# KiCad board io_board.kicad_pcb (continued)
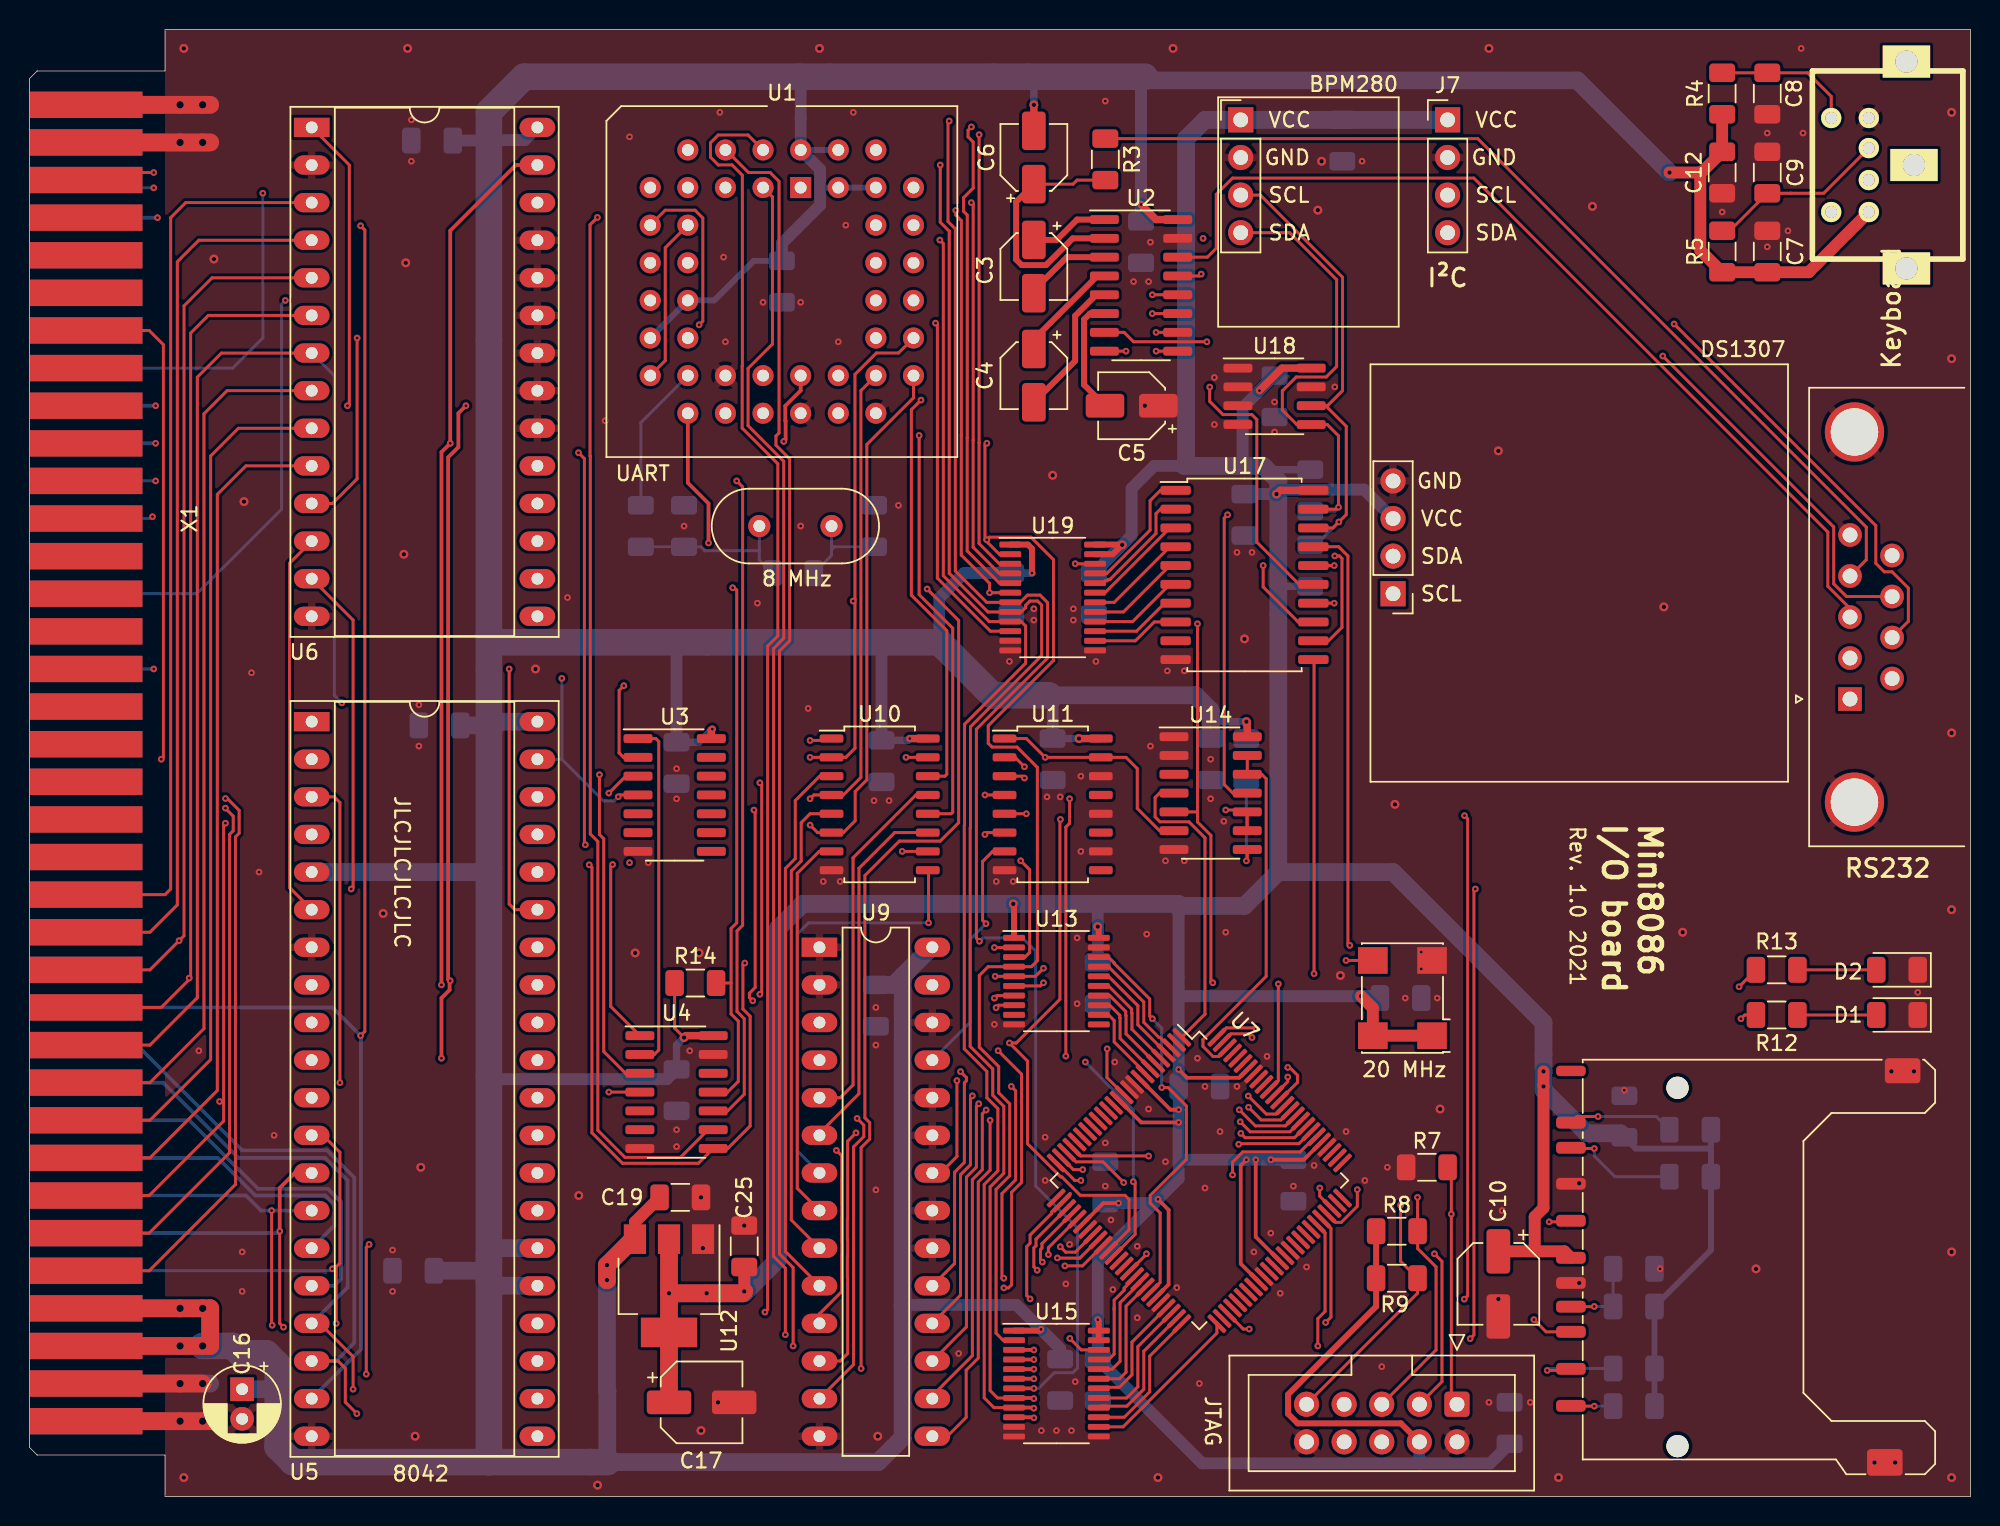
[diagram p0: board, top side]
## Nets (continued)
RA7: U7.36 U9.3 U11.5
RA8: U7.37 U9.25 U11.7
RD0: U7.81 U9.11
RD1: U7.82 U9.12
RD2: U7.83 U9.13
RD3: U7.84 U9.15
RD4: U7.85 U9.16
RD5: U7.86 U9.17
RD6: U7.87 U9.18
RD7: U7.88 U9.19
RESET: U1.39 U4.9 X1.69
SCL: J5.1 J6.3 J7.3 R11.2 U17.18 U18.6 X1.34
SD_BUSY: U7.1 U14.4
SD_IRQ: U7.98 U14.12 U14.13
SDA: J5.2 J6.4 J7.4 R10.2 U17.19 U18.5 X1.70
~{CS_8042}: U5.6 U6.12
~{CS_BUFFER}: U6.15 U13.6 U14.5
~{CS_DRIVE}: U6.13 U13.3
~{CS_I2C}: U6.16 U17.13 U19.22
~{CS_UART}: U1.16 U6.11
~{D_EN_3}: U7.40 U14.9 U14.10
~{D_EN}: R15.2 U14.8 U15.22
~{INT_I2C}: R14.2 U4.11 U17.16
~{RAM_OE}: U7.89 U9.22
~{RAM_WE}: U7.90 U9.27
~{RD}: U1.25 U5.8 U6.27 U13.4 U15.2 U17.12 U19.2 X1.63
~{RESET}: U4.8 U5.4 U13.2 U17.17
~{WR}: U1.20 U5.10 U6.1 U13.5 U17.11 X1.64
Net-(C2-Pad1): C2.1 R1.1 R2.1 Y1.1
Net-(D1-A): D1.2 R12.2
Net-(D2-A): D2.2 R13.2
Net-(J1-Pad4): J1.4 R3.1
Net-(J3-DAT1): J3.8 R18.2
Net-(J3-DAT2): J3.9 R19.2
Net-(U2-C1+): C3.1 U2.1
Net-(U2-C1-): C3.2 U2.3
Net-(U2-C2+): C4.1 U2.4
Net-(U2-C2-): C4.2 U2.5
Net-(U2-VS+): C6.1 R3.2 U2.2
Net-(U2-VS-): C5.2 U2.6
Net-(U3-Pad1): U3.1 U4.2

Pads without a net: J1 1 6 9; J2 4 6 GND; J3 11; J4 6 7 8; U1 1 12 23 26 27 32 34 35 37 38; U3 5 6 8 9 10 11 12 13; U4 5 6 12; U5 11 21 22 23 24 27 28 29 30 31 32 33 34 36; U6 17 18 19; U7 2 14 15 16 17 18 19 20 21 26 38 39 52 54 55 56 57 58 61 62 64 66 67 68 69 74 75 76 77 78 91 92 95 96 97; U11 9 11 13; U13 9 11; U14 3; U17 9; X1 16 17 18 19 20 21 22 23 24 25 26 27 28 29 31 32 33 49 50 51 52 53 54 55 56 58 60 66 67 68

## Via types
v1: diameter 0.45, hole 0.2, Top to Bottom, 351 vias
v2: diameter 1, hole 0.5, Top to Bottom, 12 vias
v3: diameter 0.6, hole 0.3, Top to Bottom, 69 vias

## Routing (per net, layer and track width the routed paths; a pad name or vN(x,y) marks a point on that pad's centre or on a via; arc(x,y) is an arc through that point)
GND: length 64.5
  Top w1.2: 4.06,5.08 v2(10.16,5.08) v2(11.68,5.08) 12.19,5.08 ; v2(11.68,7.62) v2(10.16,7.62) 4.06,7.62 ; 4.06,91.44 v2(10.16,91.44) v2(11.68,91.44) 12.19,91.44 ; 12.19,93.98 v2(11.68,93.98) v2(10.16,93.98) 4.06,93.98
  Bottom w1.2: 12.19,91.44 4.06,91.44 ; 4.06,7.62 12.19,7.62 ; 12.19,5.08 4.06,5.08 ; 4.06,93.98 12.19,93.98
  vias: v1(11.43,30.1) v1(14.35,16.51) v1(14.35,13.84) v1(14.99,55.63) v1(15.49,42.16) v1(16.51,24.38) v1(24.51,16.64) v1(24.51,13.84) v1(25.78,92.96) v1(25.78,90.17) v1(26.29,53.47) v1(26.29,50.67) v1(36.32,60.71) v1(38.86,72.64) v1(40.51,91.82) v1(41.78,42.8) v1(43.69,49.15) v1(43.69,47.12) v1(43.69,24.77) v1(43.69,23.62) v1(44.2,65.53) v1(44.58,30.1) v1(46.61,93.47) v1(46.86,83.69) v1(46.99,77.98) v1(49.15,60.33) v1(49.53,80.65) v1(52.07,80.65) v1(52.07,65.53) v1(52.58,53.21) v1(53.59,41.53) v1(54.61,77.98) v1(54.74,41.53) v1(55.12,85.85) v1(55.63,93.47) v1(57.02,46.99) v1(57.15,33.02) v1(57.15,30.48) v1(57.15,20.7) v1(58.04,46.99) v1(58.67,66.93) v1(62.74,9.65) v1(65.15,31.88) v1(65.28,41.53) v1(66.17,56.39) v1(66.42,41.53) v1(67.82,59.94) v1(67.82,59.18) v1(68.33,4.44) v1(68.58,24.26) v1(68.58,21.34) v1(68.71,47.24) v1(69.34,4.44) v1(69.6,47.24) v1(69.98,14.35) v1(70.23,17.02) v1(70.36,4.44) v1(70.48,59.94) v1(70.48,59.18) v1(70.61,7.75) v1(70.74,37.72) v1(70.74,33.27) v1(70.99,48.64) v1(70.99,43.56) v1(72.01,56.39) v1(72.64,94.23) v1(72.64,23.88) v1(72.64,20.96) v1(73.03,18.67) v1(73.15,13.97) v1(73.28,29.34) v1(74.55,82.04) v1(74.8,16.89) v1(74.8,12.06) v1(75.44,37.97) v1(75.57,82.04) v1(75.57,26.16) v1(75.69,84.71) v1(75.69,50.67) v1(76.71,42.93) v1(76.71,22.61) v1(76.84,55.75) v1(77.47,14.1) v1(77.98,55.75) v1(77.98,42.93) v1(78.87,29.59) v1(78.99,7.62) v1(79.38,27.69) v1(79.38,20.83) v1(79.76,49.78) v1(79.76,47.12) v1(80.01,75.57) v1(80.01,72.39) v1(80.39,24.64) v1(80.65,45.59) v1(80.77,38.1) v1(81.53,63.75) v1(81.53,27.69) v1(82.55,63.75) v1(82.68,16.51) v1(83.57,29.72) v1(83.82,17.78) v1(84.07,73.91) v1(84.07,71.88) v1(84.45,13.72) v1(85.34,20.96) v1(86.23,15.49) v1(86.74,22.35) v1(88.14,74.93) v1(88.9,24.64) v1(89.98,90.17) v1(90.17,21.34) v1(91.31,8.76) v1(91.69,22.22) v1(92.9,33.66) v1(93.98,36.77) v1(93.98,35.62) v1(95.06,33.66) v1(98.55,6.35) v1(99.44,19.3) v1(101.35,6.35) v1(107.7,27.43) v1(110.11,15.37) v1(114.3,86.74) v1(117.35,92.08) v1(117.35,84.39) v1(118.75,85.47) v1(119.63,97.79) v1(119.76,92.08) v1(127.51,34.04) v3(10.41,97.79) v3(10.41,1.27) v3(12.45,83.57) v3(14.48,67.18) v3(23.88,39.37) v3(25.27,63.63) v3(25.4,83.31) v3(25.53,97.79) v3(26.04,4.06) v3(26.42,22.22) v3(34.16,55.88) v3(37.08,20.32) v3(38.35,0.76) v3(40.89,36.7) v3(45.21,36.7) v3(45.34,20.19) v3(45.34,4.44) v3(45.47,16.76) v3(46.48,6.35) v3(48.26,18.29) v3(53.34,97.79) v3(57.28,4.06) v3(69.09,68.96) v3(75.31,73.66) v3(76.2,1.27) v3(77.22,97.79) v3(82.04,57.91) v3(87,86.87) v3(87.25,90.17) v3(88.52,35.18) v3(92.2,46.74) v3(95.25,26.16) v3(98.55,97.79) v3(99.19,70.61) v3(99.19,13.34) v3(103.25,1.27) v3(104.65,21.15) v3(104.65,14.41) v3(105.54,87.12) v3(110.36,60.07) v3(111.63,38.1) v3(116.59,15.37) v3(124.59,2.29) v3(125.73,28.7) v3(125.98,2.29) v3(127.25,28.7) v3(129.79,93.47) v3(129.79,76.84) v3(129.79,51.56) v3(129.79,39.62) v3(129.79,16.51) v3(129.79,1.27)
VCC: length 568.2
  Top w0.2: R14.1 43.56,31.63 v3(44.2,30.99)
  Top w0.4: U19.1 67.42,64.28 67.69,64.01 v1(67.69,62.36) ; U15.1 68.22,11.19 v1(68.3,11.28)
  Top w0.5: U10.16 v1(59.44,51.18) ; v1(75.06,87.25) 76.07,86.23 U2.16 ; 46.16,31.12 44.32,31.12 v3(44.2,30.99) ; v1(46.1,51.82) 46.04,51.75 U3.14 ; 82.23,51.31 82.23,52.26 v3(82.17,52.32) ; U11.16 v3(70.87,51.18) ; C6.2 v3(67.82,93.98)
  Top w0.8: 112.82,89.33 112.75,89.41 v3(110.74,89.41) ; 112.82,89.33 C12.1 R4.1 ; 112.82,89.33 112.82,84.15 R5.1 C7.1 120.14,82.67 J2.5 ; C19.1 40.88,18.53 U12.3
  Top w1.2: 4.06,12.7 v2(10.16,12.7) v2(11.68,12.7) 12.19,12.7 12.19,10.16 v2(11.68,10.16) v2(10.16,10.16) 4.06,10.16 ; v3(38.99,14.61) v3(38.99,15.62) 40.74,17.37 U12.3
  Bottom w0.4: C34.1 48.9,83.44 46.23,80.77 U1.14 U1.15 ; U1.42 U1.44 ; U1.41 U1.43 53.68,88.39 53.38,88.69
  Bottom w0.5: 79.76,52.2 79.88,52.32 v3(82.17,52.32) R15.1 ; 57.53,51.06 59.31,51.06 v1(59.44,51.18) ; C11.1 43.69,30.48 v3(44.2,30.99) ; C32.1 66.3,62.36 v1(67.69,62.36) ; C15.1 45.22,50.93 v1(46.1,51.82) ; C31.1 69.09,51.18 v3(70.87,51.18) ; v3(67.82,93.98) 67.82,95.5 67.44,95.88 ; 31.25,78.32 31.02,78.08 ; 31.07,28.36 31.02,28.42 ; U1.15 41.83,78.32
  Bottom w0.8: 43.66,57.69 43.69,57.66 C15.1 ; C38.1 69.6,9.98 v1(68.3,11.28) 66.65,12.93 59.04,12.93 58.96,12.85 ; 57.53,51.06 57.53,57.66 57.5,57.69 ; 75.06,95.63 v1(75.06,87.25) C13.1 ; C11.1 43.03,28.17 31.26,28.17 31.02,28.42 ; 61.44,57.69 61.44,60.68 63.12,62.36 C32.1 ; C14.1 30.99,91.57 31.02,91.59 33.43,91.59 U6.28 ; C34.1 50.8,84.62 53.38,87.2 53.38,89.62 U1.44 52.07,95.76 51.95,95.88 ; C31.1 69.09,53.85
  Bottom w1.2: C30.1 79.76,53.09 78.74,54.1 68.83,54.1 69.09,53.85 ; C33.1 30.48,15.24 31.02,15.78 ; U5.25 31.24,14.22 31.02,14.45 ; U9.28 60.9,37.08 58.96,35.14 ; 31.02,16.28 31.5,16.76 U5.26 ; C20.1 30.54,52.07 31.02,51.59 31.75,52.32 U5.40 ; 58.96,35.14 58.36,34.55 C36.1 ; 58.96,35.14 58.96,3.96 57.3,2.31 39.02,2.31 39.02,7.14 38.99,7.17 v3(38.99,15.62) ; U6.28 33.78,92.46 ; 31.02,42.45 30.73,42.16 U5.5 ; 4.06,10.16 12.19,10.16 12.19,12.7 4.06,12.7 ; v3(110.74,89.41) 104.52,95.63 75.06,95.63 75.31,95.88 ; 16.75,7.48 16.51,7.24 C16.1 ; 45.97,57.46 45.75,57.69
  Bottom w1.8: 31.02,58.14 31.02,93.5 33.4,95.88 75.31,95.88 ; 31.02,58.14 31.47,57.69 61.44,57.69 65.02,54.1 68.83,54.1 ; 31.02,58.14 31.02,2.31 ; v2(11.68,10.16) 13.72,10.16 14.22,9.65 16,9.65 16.75,8.9 16.75,3.34 17.78,2.31 31.02,2.31 ; 39.02,2.31 31.02,2.31
VCC3: length 454.1
  Top w0.25: v1(82.8,22.74) 82.8,17.53 U7.63 ; U7.45 76.92,14.31 76.92,19.35 v1(76.2,20.07) ; v1(73.54,19.81) 72.51,19.81 U7.31 ; U7.9 77.04,26.12 v1(77.59,26.12) ; U7.13 75.07,25.26 v1(77.59,25.26) ; U7.59 81.79,15.71 81.79,22.35 v1(82.17,22.74) ; U7.80 86.05,22.74 v1(83.82,22.74) ; U7.94 81.69,28.27 78.15,28.27 v1(77.59,28.83)
  Top w0.4: v1(72.14,11.94) 72.2,11.87 U15.24 U15.23 ; v3(66.43,40.01) 66.48,39.96 U13.1 ; U13.20 72.2,38.41 v3(72.14,38.48) ; U19.23 73.15,63.63 v3(73.79,64.26) 73.77,64.28 U19.24 ; J4.4 92.6,4.93 85.63,4.93 84.98,5.58 84.98,6.88 90.93,12.83 R9.2 90.93,14.74 R8.2
  Top w0.5: U17.20 84.45,67.95 v3(84.2,67.69) ; v1(83.06,74.68) 84.58,76.2 U18.8
  Top w0.8: 48.26,13.84 v3(48.26,13.84) 48.26,15.11 ; v3(102.23,28.7) v3(102.23,27.69) 102.23,19.48 101.64,18.89 101.64,16.55 ; 101.64,16.55 99.19,16.55 ; 101.64,16.55 103.65,16.55 J3.4 ; v3(89.92,33.78) 90.71,32.99 90.71,31.12 94.71,31.12
  Top w1.2: v3(43.18,13.72) U12.2 C17.1 ; v3(43.18,13.72) U12.2 ; v3(43.18,13.72) v3(45.72,13.72) 48.13,13.72 v3(48.26,13.84)
  Bottom w0.4: 50.54,28.83 50.55,28.83 ; R18.1 113.54,23.62 113.41,23.49 ; R19.1 R17.1 R6.1 113.54,16.64 R16.1 113.54,23.35 113.41,23.49 ; 113.41,23.49 108.46,23.49 C18.1
  Bottom w0.5: 83.88,69.02 84.2,69.34 R10.1 ; 84.58,67.56 84.33,67.82 ; R11.1 84.33,61.47 84.33,61.47
  Bottom w0.8: 75.94,19.8 72.65,19.8 ; 77.47,69.6 75.95,69.6 74.42,68.07 74.42,64.9 v3(73.79,64.26) C26.1 ; C24.1 v3(72.14,38.48) 72.14,39.88 72,40.01 ; C29.1 v3(84.2,67.69) ; v3(84.2,67.69) 84.5,67.99 90.12,67.99 J5.3 ; v3(84.2,67.69) 84.33,67.82 ; 77.59,33.53 77.85,33.78 v3(89.92,33.78) 91.06,33.78 91.18,33.66 ; 77.59,33.53 v1(77.59,28.83) C23.1 v1(77.59,26.12) v1(77.59,25.26) 77.59,22.48 ; 77.59,33.53 77.59,39.75 ; C41.1 98.63,2.23 93.91,2.23 93.85,2.29 ; J4.4 93.85,2.29 ; 93.85,2.29 93.8,2.23 79.18,2.23 C22.1 v1(72.14,11.94) 72.14,16 v1(76.2,20.07) ; 77.59,22.48 77.85,22.74 v1(82.17,22.74) v1(82.8,22.74) v1(83.82,22.74) C21.1 ; 77.59,22.48 77.59,21.46 75.69,19.56 ; C37.1 v1(83.06,74.68) 81.92,73.54 81.92,69.6
  Bottom w1.2: v3(43.18,13.72) 48.26,13.72 50.55,16 50.55,38.35 52.21,40.01 v3(66.43,40.01) 77.59,40.01 77.72,39.88 ; 77.72,39.88 82.04,39.88 84.33,42.16 ; 77.72,39.88 77.59,39.75 ; C18.1 107.43,24.52 105.15,24.52 102.23,27.44 v3(102.23,28.7) 102.23,32 92.08,42.16 84.33,42.16 ; 84.33,42.16 84.33,68.58 83.31,69.6 77.98,69.6 78.1,69.71 78.1,91.68 79.38,92.96 J6.1 88.64,92.96 C40.1 95.76,92.97 J7.1 ; 72.65,19.8 C27.1
(no net):
  vias: v1(40.51,42.8) v1(79.25,84.96)
/connector/IRQ7: length 88.2
  Top w0.2: v1(47.75,68.58) 48.15,68.18 48.15,38.57 47.77,38.19 47.77,32.75 48.26,32.26 48.26,27.16 47.14,26.04 46.16,26.04
  In2.Cu w0.2: v1(8.51,68.58) v1(47.75,68.58)
  Bottom w0.2: v1(8.51,68.58) 4.06,68.58
/I2C/I2C_D0: length 8.9
  Top w0.2: U19.21 72.74,62.33 75.67,65.26 75.67,67.24 76.37,67.95 U17.1
/I2C/I2C_D1: length 8.3
  Top w0.2: U17.2 76.37,66.68 76.07,66.37 76.07,65.04 72.96,61.93 72.85,61.93 72.75,61.83 72.63,61.83 72.48,61.68 U19.20
/I2C/I2C_D2: length 7.3
  Top w0.2: U17.3 77,65.41 72.63,61.03 U19.19
/I2C/I2C_D3: length 7
  Top w0.2: U17.4 77,64.14 73.25,60.38 U19.18
/I2C/I2C_D4: length 6.7
  Top w0.2: U19.17 73.87,59.73 77,62.87 U17.5
/I2C/I2C_D5: length 6.5
  Top w0.2: U17.6 77,61.59 74.49,59.08 U19.16
/I2C/I2C_D6: length 6.2
  Top w0.2: U17.7 76.65,60.33 74.76,58.43 71.95,58.43
/I2C/I2C_D7: length 6
  Top w0.2: U19.14 74.67,57.78 75.95,59.06 U17.8
/PS2/KBD_CLK: length 170.7
  Top w0.2: 39.81,50.21 39.81,50.23 ; 39.81,50.21 39.81,54.43 v1(40.13,54.75) ; 39.81,50.21 40.11,49.91 U3.2 ; R4.2 C8.1 120.07,96.14 121.67,94.55 121.67,93.09
  In2.Cu w0.2: U5.1 19.05,53.17 20.58,54.7 40.08,54.7 v1(40.13,54.75) 78.32,54.75 78.67,55.1 123.72,55.1 125.08,53.73 126.47,53.73 127.28,54.54 127.28,77.89 124.85,80.32 124.85,84.26 125.19,84.6 125.19,93.56 124.68,94.08 122.65,94.08 121.67,93.09
/PS2/KBD_DATA: length 156.7
  Top w0.2: J2.3 121.16,88.01 118.87,88.01 ; 119,88.01 118.87,88.01 ; 118.87,88.01 C9.1 114.81,85.47 R5.2 ; v1(39.75,47.25) 39.87,47.37 U3.4
  In2.Cu w0.2: v1(35.94,55.25) 36.17,55.47 40.19,55.47 40.44,55.23 78.23,55.23 78.5,55.5 123.88,55.5 125.25,54.13 126.3,54.13 126.88,54.7 126.88,77.72 122.65,81.95 122.65,89.5 J2.3
  Bottom w0.2: 35.94,49.78 38.75,46.97 39.48,46.97 v1(39.75,47.25) ; 35.94,49.78 U5.39 ; 35.94,49.78 v1(35.94,55.25)
/PS2/KCLK_OUT: length 18.6
  Top w0.2: U4.1 39.24,33.09 39.24,42.55 v1(39.37,42.67)
  In2.Cu w0.2: U5.37 37.78,44.7 39.37,43.12 v1(39.37,42.67)
/PS2/KDATA_OUT: length 7.4
  Top w0.2: v1(39.12,47.5) 40.26,48.64 U3.3
  In2.Cu w0.2: v1(39.12,47.5) 38.86,47.24 U5.38
/PS2/~{PCLK}: length 41.5
  Top w0.2: v1(20.96,27.94) 20.96,46.86 20.57,47.24 U5.3 ; U4.4 v1(39.12,27.31)
  In2.Cu w0.2: v1(20.96,27.94) 38.48,27.94 v1(39.12,27.31)
/SD drive/A0_3: length 6.2
  Top w0.2: U7.7 73.64,30.93 73.64,32.3 73.62,32.32 73.62,32.49 72.94,33.17 U13.13
/SD drive/A1_3: length 5.7
  Top w0.2: U7.8 75.33,28.6 73.24,30.69 73.24,32.14 72.86,32.52 72.2,32.52
/SD drive/D0_3: length 7.1
  Top w0.2: U15.21 72.87,9.25 73.24,9.62 73.24,12.61 ; 73.24,12.61 73.24,12.76 ; 73.24,12.61 73.24,13.25 73.91,13.92 73.91,14.06 74.63,14.78 U7.41
/SD drive/D1_3: length 7.6
  Top w0.2: U7.42 74.98,14.42 73.64,13.08 73.64,9.13 73.11,8.59 U15.20
/SD drive/D2_3: length 8.4
  Top w0.2: U15.19 73.6,7.94 74.04,8.38 74.04,12.85 U7.43 75.26,14.14
/SD drive/D3_3: length 8.1
  Top w0.2: U7.47 74.44,10.42 74.44,8.22 73.59,7.37 72.28,7.37 U15.18
/SD drive/D4_3: length 8.9
  Top w0.2: U7.48 74.84,10.11 74.84,7.41 74.08,6.65 U15.17
/SD drive/D5_3: length 9.3
  Top w0.2: U15.16 72.31,6.1 74.1,6.1 75.24,7.24 75.24,9.81 U7.49
/SD drive/D6_3: length 9.7
  Top w0.2: U15.15 73.93,5.34 75.64,7.06 75.64,9.48 77.81,11.64 U7.50
/SD drive/D7_3: length 11.2
  Top w0.2: U15.14 73.84,4.69 80.18,11.03 U7.51
/SD drive/LD_GN: length 37.2
  Top w0.2: R12.1 115.82,32.51 v1(115.57,32.26) ; v1(82.55,30.99) 82.3,31.24 81.12,31.24 U7.99
  In2.Cu w0.2: v1(82.55,30.99) 86.26,30.99 87.78,32.51 115.32,32.51 v1(115.57,32.26)
/SD drive/LD_RD: length 39.4
  Top w0.2: v1(115.44,34.42) 115.44,34.42 R13.1 ; v1(82.84,31.57) 82.77,31.64 80.81,31.64 U7.100
  In2.Cu w0.2: 114.92,32.91 115.08,32.91 115.44,33.27 v1(115.44,34.42) ; 112.03,32.91 112.18,32.91 ; 112.03,32.91 114.94,32.91 ; 112.03,32.91 87.61,32.91 86.09,31.39 82.91,31.39 82.8,31.5 82.8,31.53 v1(82.84,31.57)
/SD drive/MISO: length 29.1
  Top w0.2: J3.7 104.14,23.5 v1(105.66,23.5) ; U7.73 87.12,20.28 v1(87.12,20.83)
  In2.Cu w0.2: v1(87.12,20.83) 89.79,23.5 v1(105.66,23.5)
  Bottom w0.2: v1(105.66,23.5) 105.66,22.99 107.06,21.59 R16.2
/SD drive/MOSI: length 24.5
  Top w0.2: J3.2 102.41,11.11 v1(101.59,11.94) ; v1(87.52,11.75) 87.88,12.11 87.88,18.1 U7.71
  In2.Cu w0.2: v1(101.59,11.94) 101.24,11.59 87.67,11.59 v1(87.52,11.75)
/SD drive/SCLK: length 19.2
  Top w0.2: v1(102.62,18.54) 104.01,18.54 J3.5 ; v1(89.66,20.72) 89.66,19.59 88.57,18.5 88.19,18.5 U7.72
  In2.Cu w0.2: v1(89.66,20.72) 100.44,20.72 v1(102.62,18.54)
/SD drive/SD misc/~{ACC_BUFFER}: length 34.9
  Top w0.2: U14.6 76.31,44.96 74.8,46.46 74.8,49.15 74.04,49.91 U11.15 v1(68.58,49.91) 67.31,51.18 U11.1 ; v1(52.7,51.05) 54.03,51.05 U10.1 ; U10.15 v1(59.18,49.91)
  In2.Cu w0.2: v1(68.58,49.91) v1(59.18,49.91) 53.85,49.91 v1(52.7,51.05)
/SD drive/SD_CS: length 31.2
  Top w0.2: v1(87,10.16) 87,12 87.48,12.49 87.48,17.8 U7.70 ; J3.1 103.98,8.51 v1(102.49,8.51)
  In2.Cu w0.2: v1(102.49,8.51) 91.84,8.51 91.57,8.24 88.92,8.24 v1(87,10.16)
  Bottom w0.2: R17.2 102.62,8.64 v1(102.49,8.51)
/SD drive/TCK: length 45.6
  Top w0.2: J4.1 96.01,6.6 v1(96.01,19.07) 96.01,21.97 R7.1 ; v1(71.12,22.07) 70.48,22.07 U7.24
  In2.Cu w0.2: v1(96.01,19.07) 73.5,19.07 73.01,19.55 73.01,20.06 73.2,20.24 73.2,21.55 72.67,22.07 v1(71.12,22.07)
/SD drive/TDI: length 41.2
  Top w0.2: U7.23 70.67,22.59 72.49,22.59 v1(73.88,21.2) ; v1(92.58,19.67) 92.58,15.88 93.73,14.73 93.73,13.72 J4.9
  In2.Cu w0.2: v1(73.88,21.2) 73.88,20.88 74.03,20.73 76.31,20.73 77.38,19.67 v1(92.58,19.67)
/SD drive/TDO: length 40.1
  Top w0.2: v1(70.99,21.34) 70.58,21.34 69.4,22.52 U7.25 ; v1(94.87,16.38) 95.38,15.88 95.38,7.75 J4.3
  In2.Cu w0.2: v1(70.99,21.34) 70.99,19.92 72.77,18.14 73.28,18.14 73.55,18.42 88.25,18.42 90.28,16.38 v1(94.87,16.38)
/SD drive/TMS: length 40.9
  Top w0.2: J4.5 94.98,9.89 94.98,15.5 93.73,16.74 R8.1 93.73,17.91 v1(93.73,20.19) ; U7.22 70.97,22.99 75.56,22.99 v1(75.57,22.99)
  In2.Cu w0.2: v1(75.57,22.99) 75.71,23.13 80.59,23.13 83.53,20.19 86.85,20.19 86.87,20.18 87.37,20.18 87.39,20.19 v1(93.73,20.19)
/SD drive/~{CS_BUFFER_3}: length 6.6
  Top w0.2: U7.6 74.04,31.24 74.04,32.47 74.02,32.49 74.02,32.74 72.94,33.82 U13.14
/SD drive/~{CS_DRIVE_3}: length 8
  Top w0.2: U13.17 72.86,35.77 75.24,33.39 75.24,32.02 76.27,30.99 76.34,30.99 77.03,30.3 U7.3
/SD drive/~{RD_3}: length 7.4
  Top w0.2: U13.16 72.86,35.12 74.84,33.14 74.84,31.85 U7.4
/SD drive/~{RESET_3}: length 27.3
  Top w0.2: 75.64,13.79 U7.44 76.35,14.45 76.35,19.14 75.67,19.81 75.67,20.32 78.12,22.76 78.12,26.37 76.88,27.61 v1(76.45,27.61) ; U13.18 72.86,36.42 73.24,36.04 73.24,35.99 75.64,33.59 75.64,32.43 v1(75.82,32.26)
  Bottom w0.2: v1(76.45,27.61) 76.45,31.62 v1(75.82,32.26)
/SD drive/~{WR_3}: length 7
  Top w0.2: U13.15 72.86,34.47 74.42,32.91 74.42,32.66 74.44,32.64 74.44,31.54 U7.5
/serial/CTS: length 62.5
  Top w0.2: J1.8 122.69,60.77 121.84,61.63 121.84,65.47 v1(110.29,77.02) ; v1(74.04,77.34) U2.8
  In2.Cu w0.2: v1(110.29,77.02) 110,76.73 74.66,76.73 v1(74.04,77.34)
/serial/CTS_5: length 29.8
  Top w0.2: v1(76.07,77.34) U2.9
  In2.Cu w0.2: v1(76.07,77.34) 76.74,78.01 76.74,82.21 74.81,84.14 68.2,84.14 61.4,90.93 U1.40
/serial/RCLK: length 11.2
  Top w0.2: U1.10 42.93,84.33 42.93,76.71 U1.17
/serial/RTS: length 67.7
  Top w0.2: 72.58,78.61 73.91,78.61 74.55,77.98 v1(79.5,77.98) ; v1(111.06,79.18) 124.68,65.56 124.68,63.01 125.25,62.44 125.78,62.44 126.88,61.34 126.88,59.1 J1.7
  In2.Cu w0.2: v1(111.06,79.18) 80.7,79.18 v1(79.5,77.98)
/serial/RTS_5: length 25.6
  Top w0.2: v1(76.07,78.61) 77.53,78.61
  In2.Cu w0.2: v1(76.07,78.61) 76.34,78.88 76.34,82.04 74.65,83.74 68.03,83.74 67.45,84.32 58.16,84.32 U1.36
/serial/RX: length 64.2
  Top w0.2: v1(79.12,82.55) 78.99,82.42 U2.13
  In2.Cu w0.2: J1.2 124.04,57.72 124.04,67.68 109.17,82.55 v1(79.12,82.55)
/serial/RX_5: length 37.3
  Top w0.2: v1(75.82,81.15) U2.12
  In2.Cu w0.2: U1.11 42.93,82.29 59.76,82.29 61.85,80.2 74.87,80.2 v1(75.82,81.15)
/serial/TX: length 64.5
  Top w0.2: U2.14 79.54,83.69 80.14,84.29 80.14,87.94 81.24,89.03 97.53,89.03 121.44,65.13 121.44,61.46 122.94,59.96 J1.3
/serial/TX_5: length 36.1
  Top w0.2: v1(75.82,79.88) U2.11
  In2.Cu w0.2: v1(75.82,79.88) 75.7,79.76 42.92,79.76 U1.13
/serial/XTAL1: length 24.7
  Top w0.25: U1.18 44.45,68.45 45.85,67.06 v1(45.85,64.39)
  In2.Cu w0.25: Y1.2 53.01,64.39 v1(45.85,64.39)
  Bottom w0.2: 54.16,63.94 54.16,63.55 R1.2 ; 54.16,63.94 54.35,64.13 C1.1 ; 54.16,63.94 Y1.2
/serial/XTAL2: length 10.1
  Bottom w0.2: U1.19 41.28,72.52 R2.2
A0: length 178.9
  Top w0.2: 4.06,15.24 8.07,15.24 13.9,21.07 13.9,44.54 14.15,44.79 14.15,46.33 13.35,47.13 v1(13.23,47.13) ; U17.14 v1(88.1,60.33) ; v1(49.31,33.91) 49.44,34.03 49.44,48.07 v1(49.31,48.19) ; 55.74,60.59 55.74,50.53 55.12,49.91 U10.2 v1(52.7,49.91) ; 55.74,60.59 55.74,75.78 57.18,77.22 58.68,77.22 U1.31 ; 55.74,60.59 55.61,60.47 v1(55.61,60.47) ; U13.7 65.33,33.82 v1(65.15,33.65)
  In2.Cu w0.2: v1(52.7,49.91) 51.01,48.21 17.99,48.21 16.91,47.13 v1(13.23,47.13) ; v1(88.1,60.33) 87.96,60.47 55.62,60.47 v1(55.61,60.47) ; v1(49.31,33.91) 49.63,33.59 65.1,33.59 v1(65.15,33.65)
A1: length 179.9
  Top w0.2: v1(52.7,47.12) 52.96,47.37 U10.4 54.95,47.37 56.14,48.56 56.14,74.68 U1.30 ; v1(79.69,74.92) 79.69,73.96 80.59,73.06 82.54,73.06 82.87,72.73 82.87,64.45 85.73,61.59 U17.15 ; U13.8 65.43,33.17 v1(65.27,33.01) ; 4.06,17.78 8.07,17.78 13.5,23.21 13.5,44.7 13.75,44.95 13.75,45.94 13.23,46.46 v1(13.23,46.48) ; v1(48.83,33.47) 48.61,33.7 48.61,33.98 49,34.37 49,46.27 v1(48.91,46.36)
  In2.Cu w0.2: v1(13.23,46.48) 13.45,46.26 51.85,46.26 v1(52.7,47.12) ; v1(65.27,33.01) 58.92,33.01 58.4,32.49 56.9,32.49 56.2,33.19 49.11,33.19 v1(48.83,33.47) ; U1.30 58.16,76.7 60.18,76.7 61.52,75.36 79.26,75.36 v1(79.69,74.92)
A2: length 115
  Top w0.2: U1.29 59.69,74.2 56.54,71.04 56.54,48.39 55.75,47.6 55.75,45.63 54.95,44.83 U10.6 53.21,44.83 v1(52.7,45.34) ; v1(12.83,26.67) 12.85,26.69 13.1,26.69 ; 13.1,26.69 13.1,45.34 v1(13.23,45.47) ; 13.1,26.69 13.1,25.35 8.07,20.32 4.06,20.32
  In2.Cu w0.2: v1(13.23,45.47) 13.45,45.69 52.35,45.69 v1(52.7,45.34) ; v1(12.83,26.67) 18.16,32 U5.9
A3: length 128.2
  Top w0.2: U6.10 14.61,69.6 12.68,67.67 12.68,27.41 8.12,22.86 4.06,22.86 ; v1(37.53,44.01) 37.47,44.08 37.47,70.09 v1(37.07,70.48) ; U10.10 v1(58.93,43.56)
  In2.Cu w0.2: v1(37.07,70.48) 37.01,70.55 19.15,70.55 19.05,70.45 U6.10 ; v1(37.53,44.01) 37.53,43.74 39.12,42.15 41.91,42.15 43.32,43.56 v1(58.93,43.56)
A4: length 128.6
  Top w0.2: v1(60.07,71.65) 60.07,60.9 62.34,58.64 62.34,46.21 62.23,46.1 U10.12 ; U6.9 14.1,72.14 12.23,70.26 12.23,29.5 8.12,25.4 4.06,25.4
  In2.Cu w0.2: v1(60.07,71.65) 60.07,71.63 59.97,71.52 51.41,71.52 51.16,71.77 50.68,71.77 50.46,71.55 36.77,71.55 35.23,73.09 21.91,73.09 20.96,72.14 U6.9
A5: length 128.7
  Top w0.2: U10.14 61.81,48.64 61.94,48.77 61.94,58.47 59.55,60.86 59.55,73.39 v1(60.2,74.04) ; 4.06,27.94 8.12,27.94 11.78,31.59 11.78,73.12 13.34,74.68 U6.8
  In2.Cu w0.2: U6.8 20.96,74.68 21.91,75.63 35.23,75.63 36.25,74.61 59.63,74.61 v1(60.2,74.04)
A6: length 137.5
  Top w0.2: U6.7 12.95,77.22 11.33,75.59 11.33,33.68 8.12,30.48 4.06,30.48 ; U11.2 66.55,49.91 v1(67.18,49.28)
  In2.Cu w0.2: v1(21.08,53.59) 21.72,54.23 65.04,54.23 69.11,50.16 69.11,49.66 68.72,49.28 v1(67.18,49.28)
  Bottom w0.2: v1(21.08,53.59) 20.57,54.1 20.57,75.69 U6.7
A7: length 123.7
  Top w0.2: U11.4 v1(64.52,47.37) ; U6.6 12.07,79.76 10.88,78.57 10.88,35.01 8.89,33.02 4.06,33.02
  In2.Cu w0.2: v1(64.52,47.37) 59.94,42.8 50.03,42.8 48.42,41.2 22.32,41.2 21.97,41.55 20.33,41.55 19.35,40.57 12.36,40.57 9.57,37.78 9.57,36.21 v1(10.78,35.01)
A8: length 126.8
  Top w0.2: U6.5 12.32,82.3 10.43,80.4 10.43,37.86 v1(10.09,37.53) 8.12,35.56 4.06,35.56 ; v1(64.52,44.7) 64.64,44.83 U11.6
  In2.Cu w0.2: v1(64.52,44.7) 64.74,44.93 67.48,44.93 67.96,44.45 67.96,41.55 67.06,40.64 65.81,40.64 63.2,38.03 10.6,38.03 v1(10.09,37.53)
A9: length 59.8
  Top w0.2: U6.4 11.43,84.84 9.98,83.38 9.98,39.95 8.12,38.1 4.06,38.1
A10: length 60.9
  Top w0.2: 4.06,40.64 9.14,40.64 9.53,41.02 9.53,86.36 10.54,87.38 U6.3
CARD_DET: length 31.6
  Top w0.2: v1(82.36,11.3) 81.96,11.3 U7.53 ; J3.10 105.65,12.81 v1(105.66,12.83)
  In2.Cu w0.2: v1(82.36,11.3) 82.49,11.18 104.39,11.18 105.66,12.45 v1(105.66,12.83)
  Bottom w0.2: v1(105.66,12.83) R6.2 C28.1
CPLD_CLK: length 24
  Top w0.2: U7.12 72.75,28.28 72.75,30.21 v1(72.77,30.23) ; v1(88.9,36.2) X2.3
  In2.Cu w0.2: v1(72.77,30.23) 76.27,33.73 85.94,33.73 88.01,35.79 88.5,35.79 v1(88.9,36.2)
D0: length 212.3
  Top w0.2: U5.12 19.81,24.38 20.96,23.24 20.96,15.75 20.7,15.49 ; v1(20.45,15.37) 20.57,15.49 20.7,15.49 ; 20.7,15.49 v1(20.7,11.68) ; U19.3 65.49,62.98 64.12,64.35 64.12,71.16 64.12,71.16 v1(64.12,91.96) ; U1.2 48.52,91.94 46.5,91.94 45.98,91.42 45.98,90.45 46.5,89.92 47.44,89.92 48.13,89.22 48.13,76.36 48.12,76.34 48.12,72.15 50.53,69.74 50.53,58.12 49.84,57.43 49.84,12.63 v1(49.66,12.45)
  Top w0.25: U15.3 67.81,9.9 v1(67.82,9.89)
  In2.Cu w0.2: 49.6,12.63 49.6,12.51 v1(49.66,12.45) ; 49.6,12.63 33.21,12.63 32.26,11.68 v1(20.7,11.68) ; 49.6,12.63 62.68,12.63 65.42,9.89 v1(67.82,9.89) ; U1.2 50.56,91.96 v1(64.12,91.96)
  Bottom w0.2: v1(20.45,15.37) 20.32,15.24 4.06,15.24
D1: length 199.2
  Top w0.2: v1(51.04,10.92) 51.04,15.41 50.24,16.21 50.24,57.26 50.93,57.95 50.93,69.9 48.52,72.31 48.52,76.18 50.17,77.82 50.17,87.76 U1.3 ; v1(63.6,87.38) 63.72,87.25 63.72,71.33 63.72,71.32 63.72,64.1 65.49,62.33 U19.4 ; v1(17.14,11.43) 16.89,11.68 v1(16.89,17.91)
  Top w0.25: v1(16.89,17.91) 16.89,20.83 17.91,21.84 U5.13 ; v1(67.82,9.24) 67.81,9.25 U15.4
  In2.Cu w0.2: v1(17.14,11.43) 17.84,10.73 51.12,10.73 ; v1(51.04,10.92) 51.12,10.84 51.12,10.73 ; 51.12,10.73 63.24,10.73 64.73,9.24 v1(67.82,9.24) ; v1(63.6,87.38) 50.55,87.38 U1.3
  Bottom w0.25: 4.06,17.78 16.76,17.78 v1(16.89,17.91)
D2: length 212.1
  Top w0.2: U1.4 47.02,90.93 48.55,89.41 50.01,89.41 50.61,88.81 50.61,71.82 50.4,71.61 50.4,71 51.33,70.07 51.33,57.78 50.64,57.1 50.64,16.37 51.56,15.45 v1(51.56,10.16) ; U19.5 65.49,61.68 63.32,63.85 63.32,71.49 63.32,71.5 63.32,86.54 63.07,86.79 63.07,87.71 63.72,88.36 63.72,91.47 63.37,91.82 63.37,92.26 v1(63.6,92.49) ; v1(16.34,19.3) 16.34,11.6 v1(16.38,11.56)
  Top w0.25: v1(67.82,8.59) 67.81,8.59 U15.5
  In2.Cu w0.2: v1(63.6,92.49) 63.47,92.36 48.42,92.36 U1.4 ; v1(16.38,11.56) 16.38,11.42 17.46,10.33 51.48,10.33 ; v1(51.56,10.16) 51.48,10.24 51.48,10.33 ; 51.48,10.33 63.07,10.33 64.82,8.59 v1(67.82,8.59)
  Bottom w0.25: 4.06,20.32 14.61,20.32 15.62,19.3 U5.14
D3: length 188.1
  Top w0.2: v1(62.55,86.85) 62.55,86.53 62.92,86.16 62.92,71.66 62.92,71.66 62.92,63.58 64.83,61.67 v1(64.83,61.03) U19.6 ; v1(22.93,17.02) 22.73,16.83 v1(22.73,8.25) ; v1(60.61,61.28) 62.74,59.16 62.74,45.5 61.5,44.26 58.73,44.26 56.41,41.93 56.41,25.57 56.73,25.24 56.73,24.13 56.15,23.55 v1(56.15,8.64)
  Top w0.25: U15.6 67.81,7.94 v1(67.82,7.94)
  In2.Cu w0.2: v1(64.83,61.03) 64.57,61.28 v1(60.61,61.28) ; v1(67.82,7.94) 63.94,7.94 63.69,8.19 56.2,8.19 ; U5.15 19.3,17.02 v1(22.93,17.02) ; v1(22.73,8.25) 22.79,8.19 56.2,8.19 ; 56.2,8.19 56.2,8.59 v1(56.15,8.64) ; v1(62.55,86.85) 62.53,86.86 48.52,86.86 U1.5
  Bottom w0.25: U5.15 20.58,18.29 20.58,19.71 19.96,20.32 15.24,20.32 12.7,22.86 4.06,22.86
D4: length 205.8
  Top w0.2: v1(62.1,92.89) 62.02,92.81 62.02,86.1 62.52,85.6 62.52,62.5 64.63,60.38 U19.7 66.9,60.38 67.39,60.87 68.24,60.87 68.74,60.36 68.74,56.62 63.94,51.82 63.94,37.7 v1(64.14,37.49)
  Top w0.25: v1(67.82,7.29) 67.81,7.3 U15.7
  In2.Cu w0.2: v1(67.82,7.29) 63.83,7.29 63.39,7.73 22.13,7.73 22.1,7.76 18.54,7.76 15.86,10.44 15.86,12.43 17.65,14.22 U5.16 ; U1.6 46.28,92.76 61.9,92.76 62.03,92.89 v1(62.1,92.89)
  Bottom w0.2: v1(64.14,37.49) 64.37,37.72 67.06,37.72 67.95,36.83 67.95,20.96 70.77,18.13 70.77,8.67 70.45,8.35 69.19,8.35 68.14,7.29 v1(67.82,7.29)
  Bottom w0.25: 4.06,25.4 10.8,25.4 15.43,20.77 20.15,20.77 21.03,19.89 21.03,14.68 20.57,14.22 U5.16
D5: length 199.2
  Top w0.2: v1(21.84,7.24) 21.84,9.44 19.6,11.68 U5.17 ; v1(61.5,89.92) 61.5,86.06 62.1,85.45 62.1,62.35 64.72,59.73 U19.8 66.96,59.73 67.26,60.03 67.26,60.18 67.55,60.47 68.07,60.47 68.34,60.2 68.34,56.79 63.54,51.98 63.54,45.16 63.52,45.15 63.52,30.39 65.04,28.86 65.04,27.09 65.79,26.34 65.79,21.82 64.87,20.9 64.87,7.14 65.36,6.65 U15.8
  Top w0.25: v1(67.82,6.6) 67.78,6.65 U15.8
  In2.Cu w0.2: v1(67.82,6.6) 64.26,6.6 63.31,5.65 23.43,5.65 v1(21.84,7.24) ; v1(61.5,89.92) 61.43,89.85 43.37,89.85 U1.7
  Bottom w0.25: 4.06,27.94 9.02,27.94 14.1,22.86 19.96,22.86 21.48,21.35 21.48,14.11 U5.17
D6: length 195.3
  Top w0.2: v1(22.1,5.59) 21.32,6.37 21.32,8.65 20.83,9.14 U5.18 ; v1(61.47,84.85) 61.7,84.61 61.7,62.18 64.8,59.08 U19.9 66.96,59.08 67.26,58.78 67.26,56.27 63.14,52.15 63.14,45.33 63.12,45.31 63.12,30.22 64.64,28.7 64.64,26.92 65.39,26.18 65.39,21.99 64.47,21.07 64.47,6.65 65.12,6 U15.9
  Top w0.25: v1(67.82,5.95) 67.78,6 U15.9
  In2.Cu w0.2: v1(67.82,5.95) 64.19,5.95 63.42,5.19 22.5,5.19 v1(22.1,5.59) ; U1.8 48.05,84.79 61.41,84.79 v1(61.47,84.85)
  Bottom w0.25: 4.06,30.48 7.24,30.48 14.35,23.37 20.09,23.37 21.93,21.53 21.93,10.37 20.7,9.14 U5.18
D7: length 223.2
  Top w0.2: v1(45.21,79.12) 45.46,79.37 45.46,86.34 44.94,86.86 42.92,86.86 U1.9 ; v1(22.35,31.12) 22.64,31.4 22.64,85.52 v1(22.35,85.81) ; 66.23,58.43 64.89,58.43 61.3,62.01 61.3,79.11 v1(61.18,79.24)
  Top w0.25: v1(67.82,5.3) 67.78,5.34 U15.10
  In2.Cu w0.2: U5.19 22.54,3.11 61.91,3.11 64.1,5.3 v1(67.82,5.3) ; v1(22.35,85.81) 22.39,85.85 U1.9 ; v1(61.18,79.24) 61.17,79.24 45.33,79.24 v1(45.21,79.12)
  Bottom w0.25: 4.06,33.02 20.45,33.02 v1(22.35,31.12) 22.38,31.09 22.38,9.93 U5.19
IRQ1: length 46.5
  Top w0.2: U5.35 32.77,39.62 32.39,40.01 v1(32.39,55.88)
  In2.Cu w0.2: v1(8.38,55.88) 8.65,56.15 32.11,56.15 v1(32.39,55.88)
  Bottom w0.2: 4.06,55.88 v1(8.38,55.88)
IRQ4: length 72.8
  In2.Cu w0.25: U1.33 58.65,81.81 41.41,81.81 40.38,80.77 v1(17.27,80.77)
  Bottom w0.2: 4.06,60.96 11.3,60.96 17.02,66.68 17.02,80.52 v1(17.27,80.77)
IRQ6: length 97.5
  Top w0.2: v1(80.9,66.29) 80.67,66.07 80.67,48.08 81.26,47.5 82.23,47.5
  In2.Cu w0.2: v1(80.9,66.29) 54.95,66.29 54.66,66.58 35.71,66.58 35.07,65.94 8.52,65.94 v1(8.3,66.17)
  Bottom w0.2: v1(8.3,66.17) 8.17,66.04 4.06,66.04
M_~{IO}: length 41.4
  In2.Cu w0.2: U6.26 21.08,87.38 20.13,88.33 16.06,88.33 v1(15.75,88.01)
  Bottom w0.2: 4.06,76.2 13.72,76.2 15.75,78.23 v1(15.75,88.01)
PCLK: length 85.4
  Top w0.2: U4.3 40.24,28.58 38.77,30.04 38.77,44.41 38.48,44.7 v1(38.48,48.74) ; 4.06,78.74 8.07,78.74 9.03,77.78 9.03,49.93 v1(8.89,49.78)
  In2.Cu w0.2: v1(38.48,48.74) 38.36,48.61 21.62,48.61 20.45,49.78 U5.2 v1(8.89,49.78)
RA0: length 61.2
  Top w0.2: U9.10 53.34,14.24 51.04,16.54 51.04,42.41 51.71,43.08 51.71,47 53.35,48.64 U10.3 ; v1(67.56,13.34) 67.34,13.56 67.34,16.87 67.56,17.09 67.56,17.65 69.02,19.11 69.02,19.21 70.27,20.46 70.27,20.39 U7.27
  In2.Cu w0.2: U9.10 54.45,13.11 67.34,13.11 v1(67.56,13.34)
RA1: length 53.1
  Top w0.2: v1(68.04,15.28) 67.82,15.5 67.82,16.78 67.96,16.93 67.96,17.38 U7.28 ; U10.5 52.7,46.1 52.11,45.5 52.11,42.91 51.44,42.24 51.44,18.66 U9.9
  In2.Cu w0.2: U9.9 53.34,15.91 53.98,15.28 v1(68.04,15.28)
RA2: length 47
  Top w0.2: U10.7 53.32,43.56 51.84,42.08 51.84,20.8 U9.8 ; v1(68.39,15.83) 68.26,15.95 68.26,16.66 68.36,16.76 68.36,17.07 U7.29
  In2.Cu w0.2: v1(68.39,15.83) 68.38,15.81 56.83,15.81 U9.8
RA3: length 50.6
  Top w0.2: v1(68.8,16.33) 68.8,16.8 U7.30 ; v1(60.71,38.73) 60.71,42.24 60.65,42.29
  In2.Cu w0.2: U9.7 57.47,17.71 63.81,17.71 65.07,16.46 68.67,16.46 v1(68.8,16.33)
  Bottom w0.2: 60.83,38.73 v1(60.71,38.73) 52.6,38.73 51.84,37.97 51.84,23.34 U9.7
RA4: length 47.4
  Top w0.2: v1(69.6,16.86) 69.97,16.49 70.62,16.49 U7.33 ; U10.11 58.42,44.83 56.01,42.42 56.01,27.19 53.34,24.53 U9.6
  In2.Cu w0.2: v1(69.6,16.86) 65.23,16.86 63.98,18.11 58.96,18.11 53.34,23.74 U9.6
RA5: length 59.5
  Top w0.2: v1(65.79,14.73) 65.67,14.73 65.67,20.45 66.59,21.38 66.59,27.39 v1(66.29,27.69) ; v1(69.41,16.1) 69.42,16.09 70.92,16.09 U7.34 ; U10.13 59.85,47.37 55.61,43.12 55.61,27.79 54.74,26.92 U9.5
  In2.Cu w0.2: v1(65.79,14.73) 68.27,14.73 69.41,15.87 v1(69.41,16.1) ; U9.5 54.74,26.92 55.69,27.87 62.07,27.87 62.4,27.55 62.91,27.55 63.05,27.69 v1(66.29,27.69)
RA6: length 65.3
  Top w0.2: v1(65.79,14.08) 66.11,14.08 66.32,14.29 66.32,20.54 66.99,21.21 66.99,28.52 v1(65.41,30.1) ; v1(67.18,48.51) 67.06,48.64 U11.3 ; v1(69.91,15.57) 71.1,15.57 U7.35 ; v1(69.98,29.73) 69.98,45.2 70.23,45.46 v1(70.23,47.12)
  In2.Cu w0.2: v1(70.23,47.12) 70.23,47.38 69.1,48.51 v1(67.18,48.51) ; v1(65.79,14.08) 68.43,14.08 v1(69.91,15.57) ; U9.4 56.9,29.46 57.85,30.41 65.09,30.41 v1(65.41,30.1) 66.12,30.1 66.48,29.73 v1(69.98,29.73)
